# Altium PCB Motor28.PcbDoc
Units mil, origin at the board's own origin, x right, y up, seen from the top; angles counter-clockwise.
Board outline 1350 x 1102.36 mil, 4 copper layers (Top Layer, Signal, GND, Bottom Layer), stack 23.756 mil thick; 49 components, 40 nets, 157 pads, 132 vias.
Unrouted connection lines stored in the file: 3.
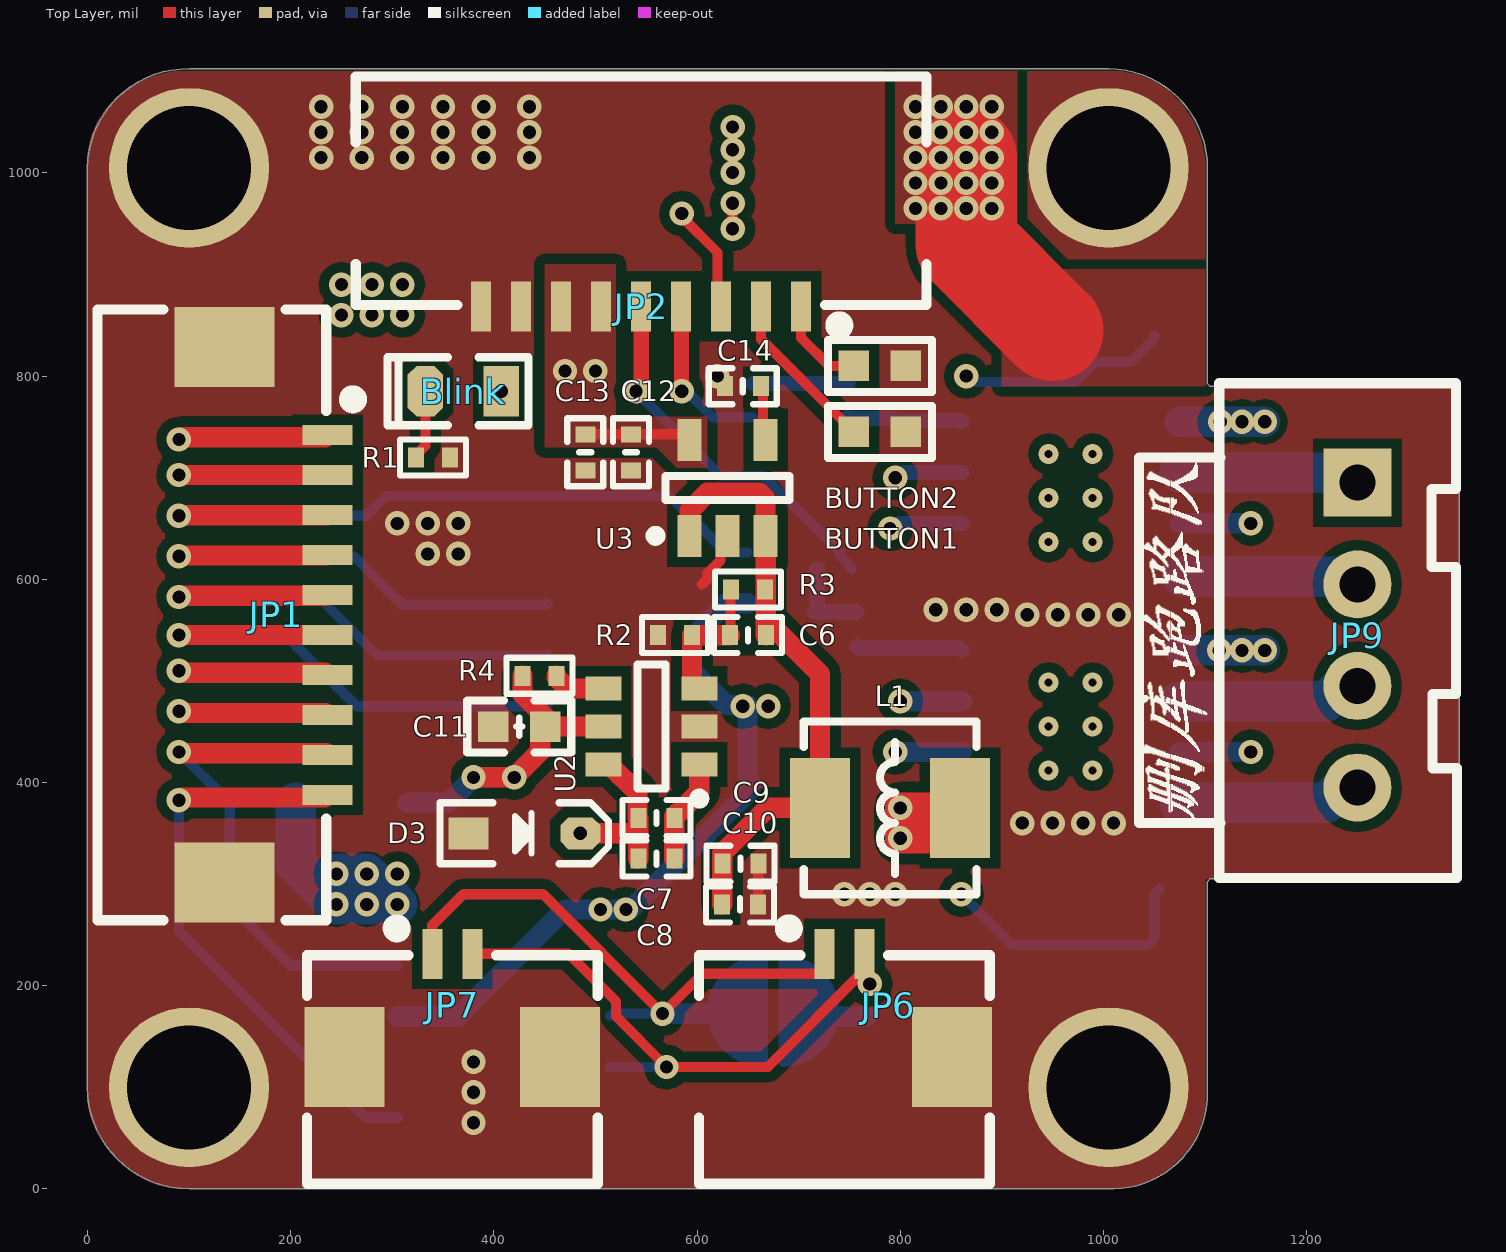
[diagram p0: Top Layer view]
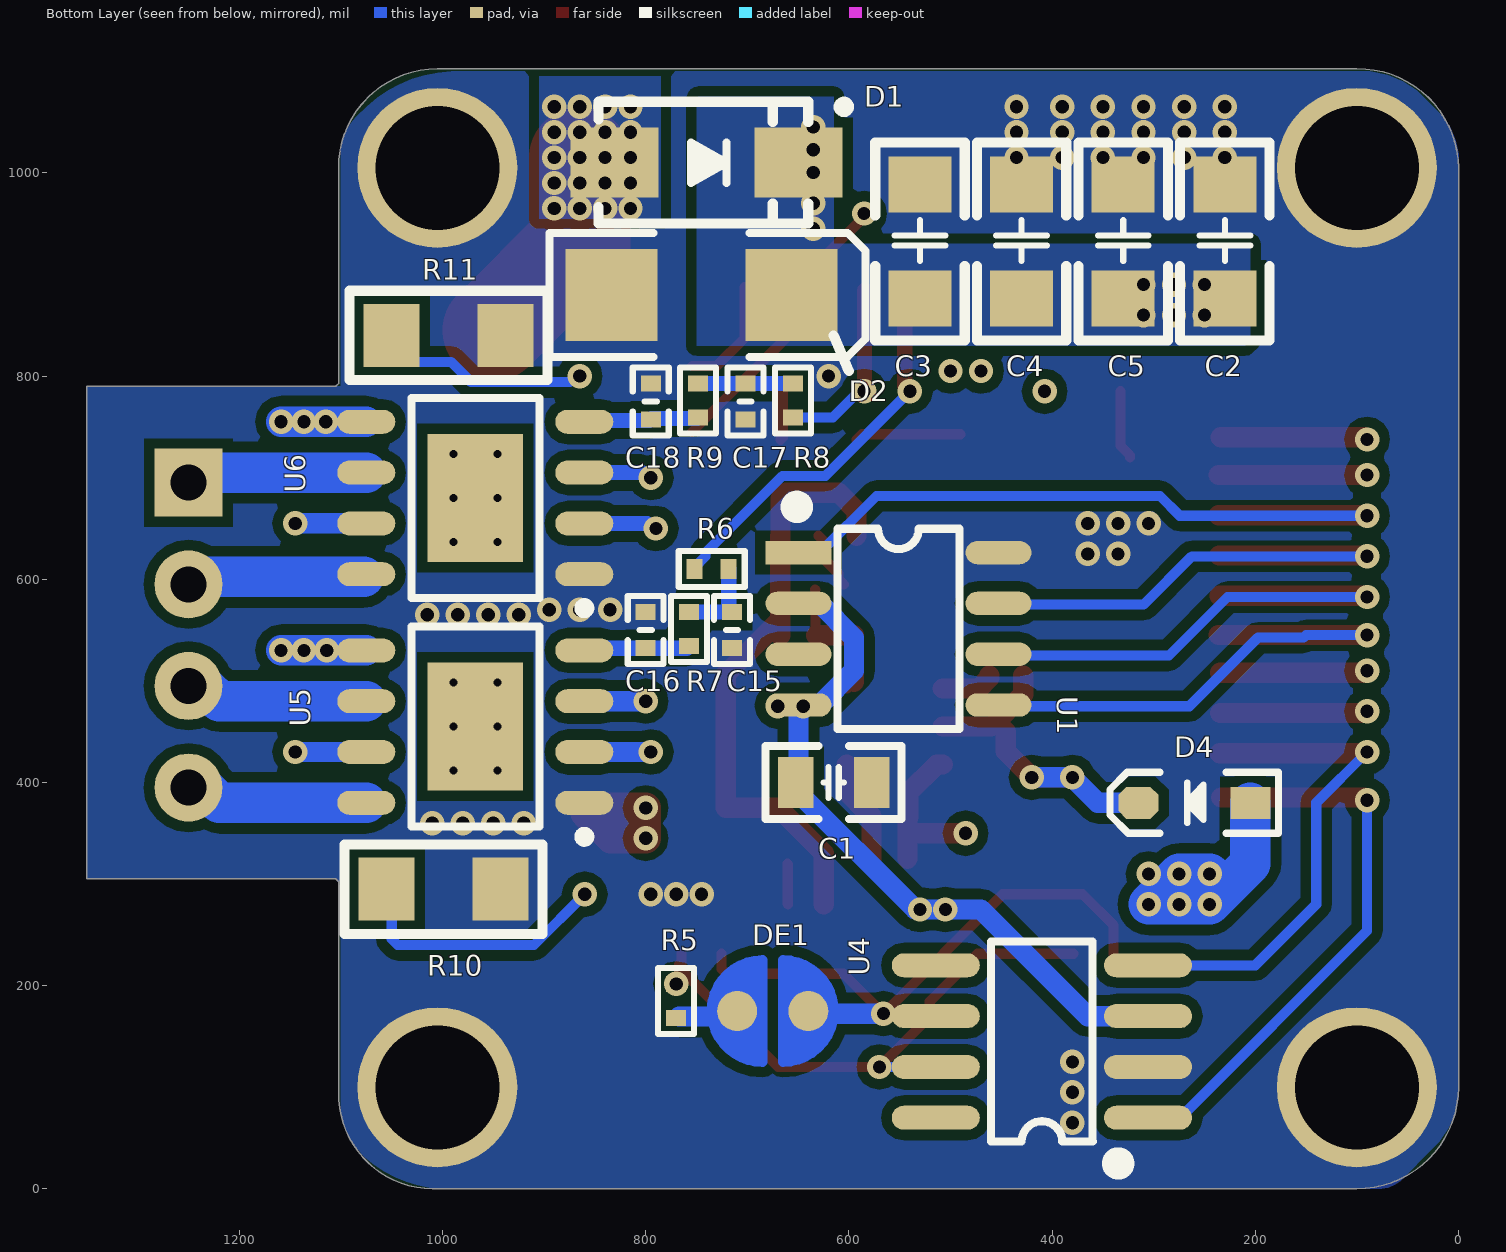
[diagram p1: Bottom Layer view, seen from below]
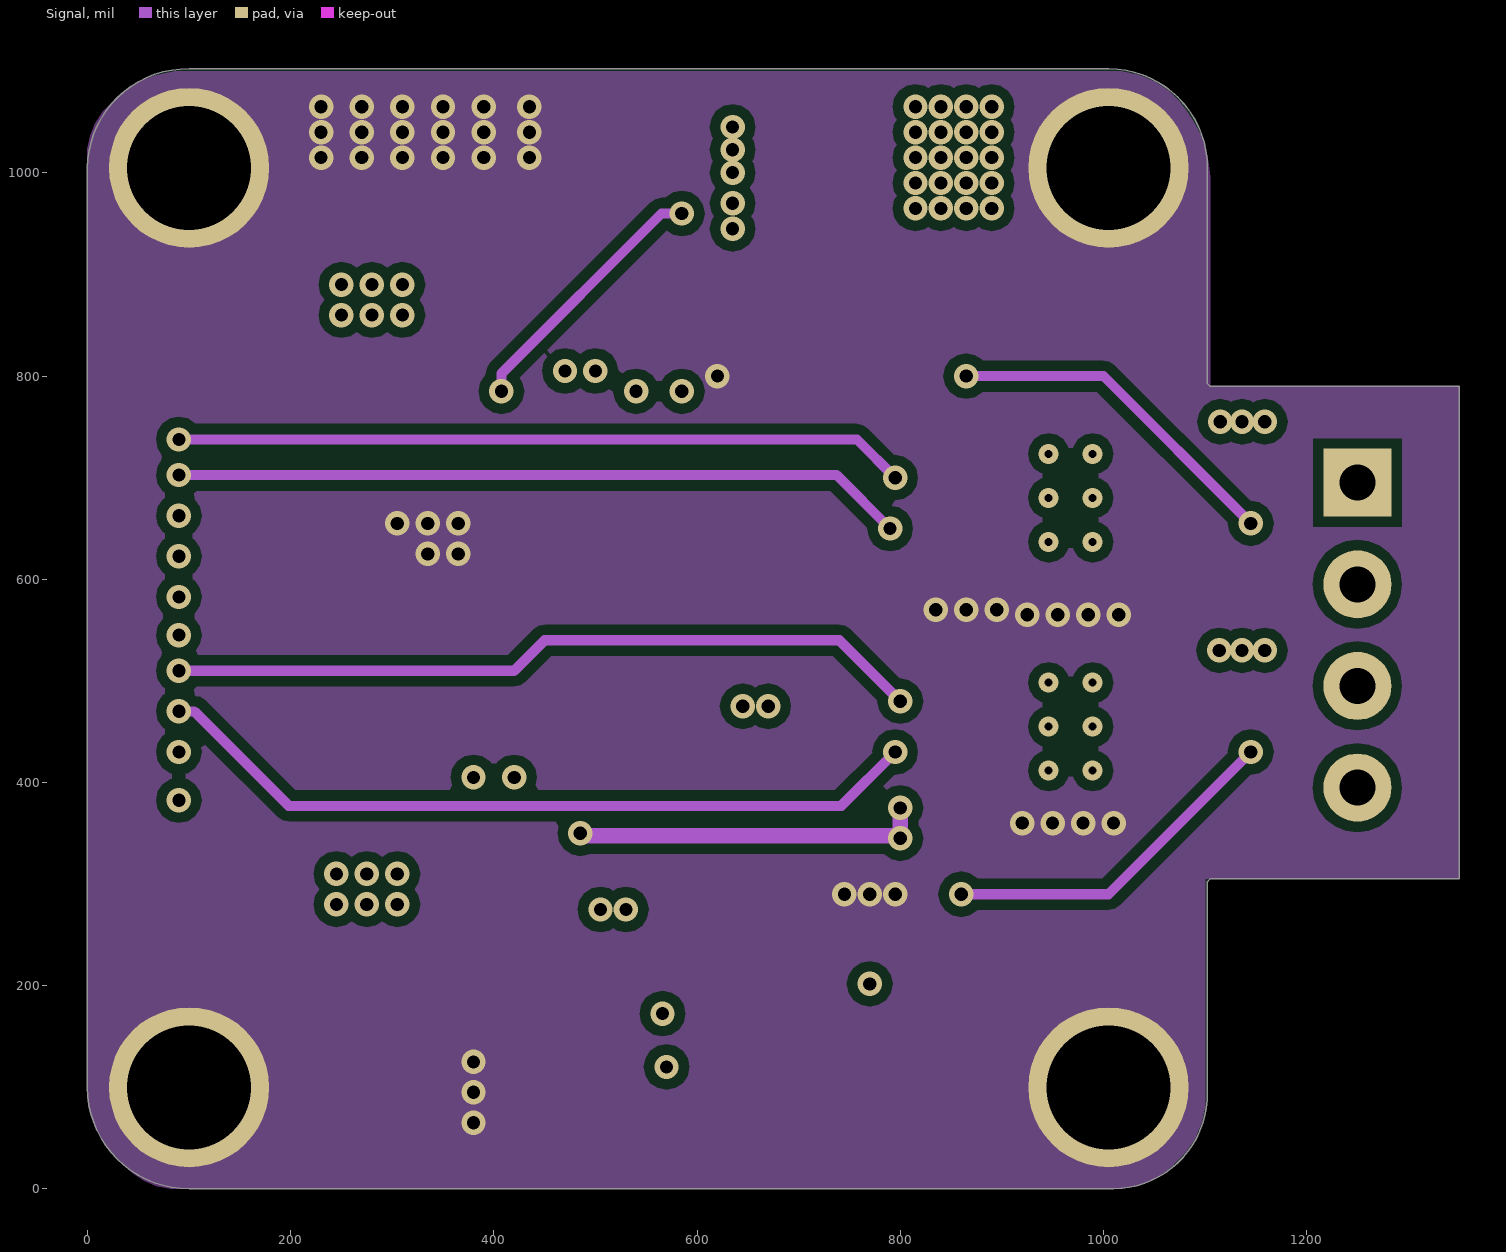
[diagram p2: Signal]
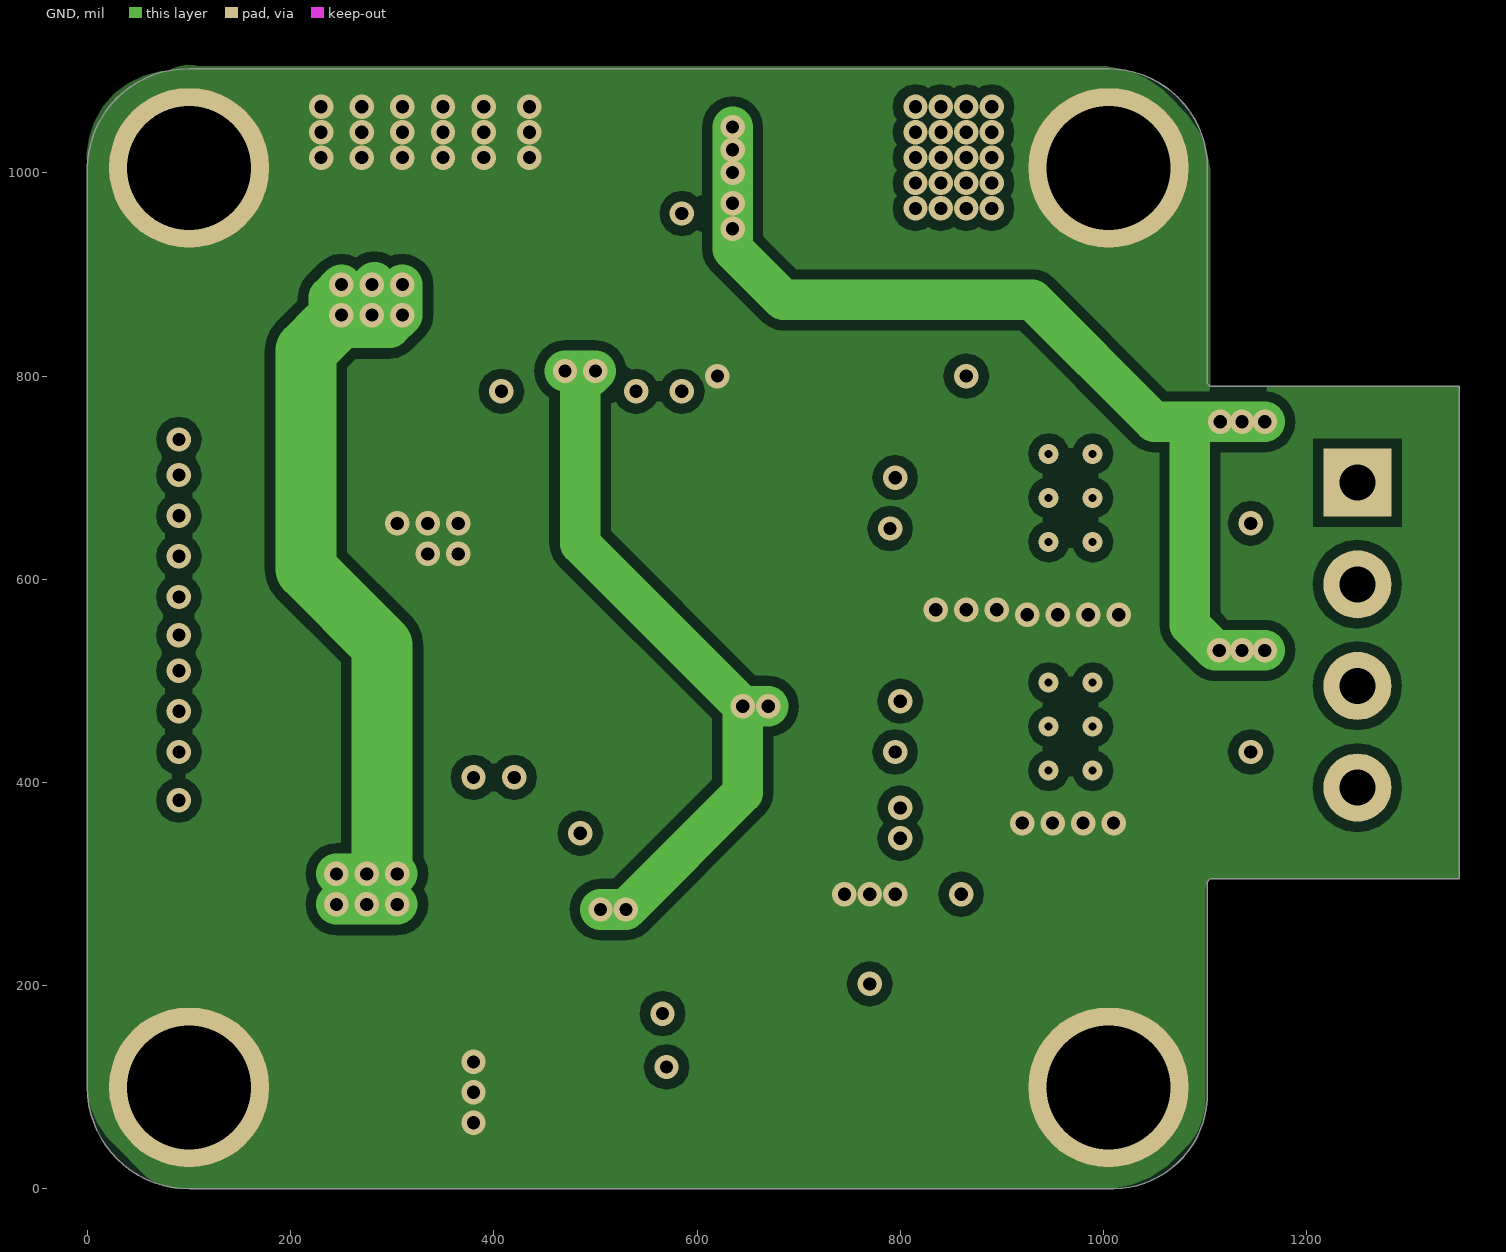
[diagram p3: GND]
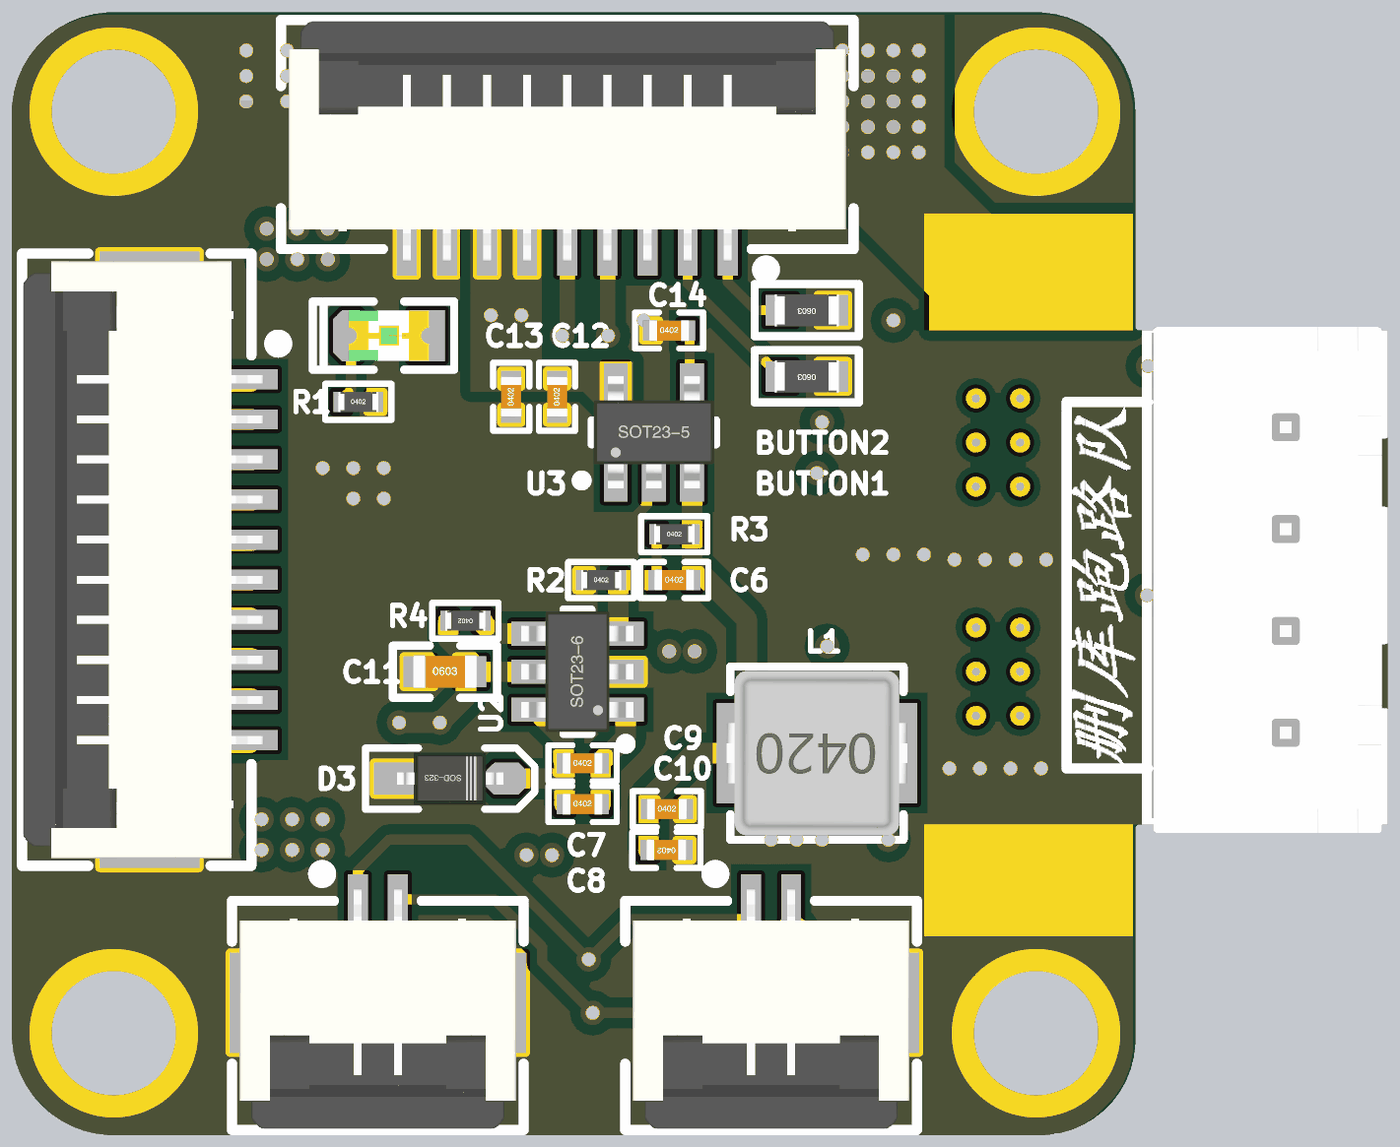
[diagram p4: 3D render of the assembled board from above, using the file's embedded part models]
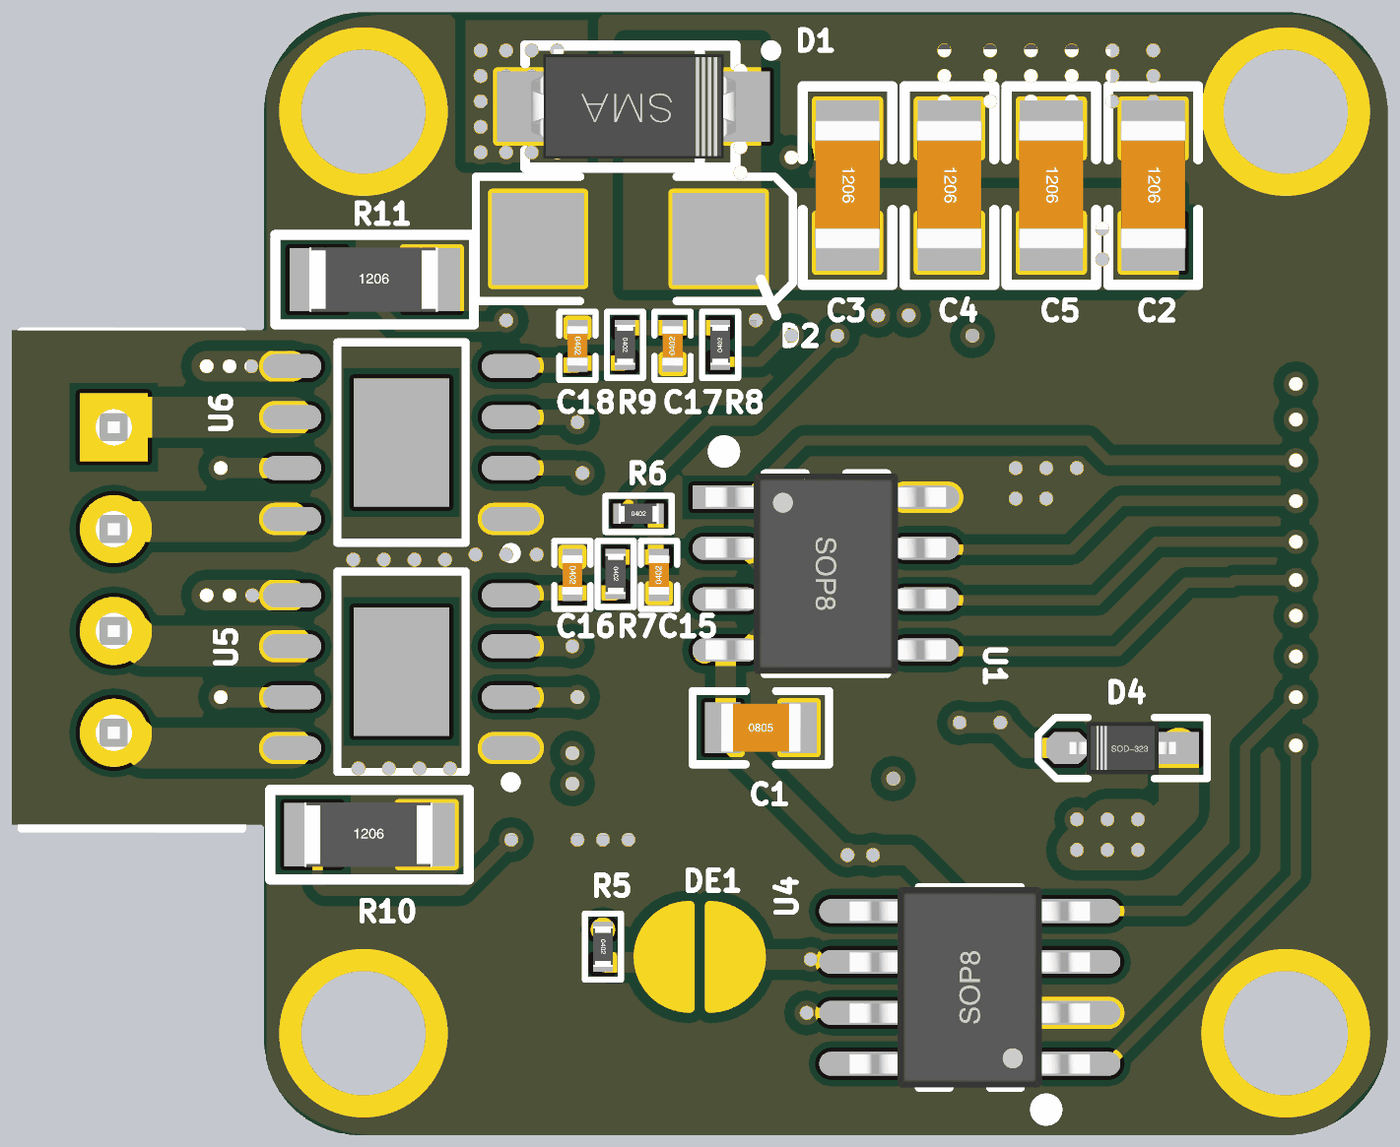
[diagram p5: 3D render of the assembled board from below, using the file's embedded part models]

## Layer stack, top to bottom
Top Solder: solder mask 0.4, Solder Resist, Dk 3.5
Top Layer: signal copper 1.4
Dielectric 2: prepreg 2.8, PP-006, Dk 4.1
Signal: signal copper 1.378
Dielectric 1: dielectric 12.6, FR-4, Dk 4.8
GND: signal copper 1.378
Dielectric 3: prepreg 2.8, PP-006, Dk 4.1
Bottom Layer: signal copper 1.4
Bottom Solder: solder mask 0.4, Solder Resist, Dk 3.5

## Board outline
0,100 0,1005 cw(c98.68,1003.68) 100,1102.36 1005,1102.36 cw(c1005,1005) 1102.36,1005 1102.36,792.64 1105,790 1350,790 1350,305 1105,305 1102.36,302.36 1102.36,95 cw(c1008.68,93.68) 1010,0 100,0 cw(c100,100)

## Design rules (kind name [scope] priority, off if disabled: settings)
Clearance [All] p1: gap=10 ignorepadtopadclearanceinfootprint=FALSE except(0: Arc-Hole Track-Hole SMDPad-Hole THPad-Hole Via-Hole Fill-Hole Poly-Hole Region-Hole Text-Hole)
PolygonConnect PolygonConnect_11 [All vs IsNamedPolygon('Signal-GND')] p1: connectstyle=Direct reliefconductorwidth=10 reliefentries=4 polygonreliefangle="90 Angle" airgapwidth=10
PolygonConnect PolygonConnect_10 [All vs IsNamedPolygon('Top Layer-GND')] p2: connectstyle=Direct reliefconductorwidth=10 reliefentries=4 polygonreliefangle="90 Angle" airgapwidth=10
PolygonConnect PolygonConnect_9 [All vs IsNamedPolygon('Top Layer-VCC_IN 1')] p3: connectstyle=Direct reliefconductorwidth=10 reliefentries=4 polygonreliefangle="90 Angle" airgapwidth=10
PolygonConnect PolygonConnect_8 [All vs IsNamedPolygon('Top Layer-VCC_IN 1')] p4: connectstyle=Direct reliefconductorwidth=10 reliefentries=4 polygonreliefangle="90 Angle" airgapwidth=10
PolygonConnect PolygonConnect_7 [All vs IsNamedPolygon('Bottom Layer-GND')] p5: connectstyle=Direct reliefconductorwidth=10 reliefentries=4 polygonreliefangle="90 Angle" airgapwidth=10
PolygonConnect PolygonConnect_6 [All vs IsNamedPolygon('Top Layer-GND')] p6: connectstyle=Direct reliefconductorwidth=10 reliefentries=4 polygonreliefangle="90 Angle" airgapwidth=10
PolygonConnect PolygonConnect_5 [All vs IsNamedPolygon('Bottom Layer-VCC_IN')] p7: connectstyle=Direct reliefconductorwidth=10 reliefentries=4 polygonreliefangle="90 Angle" airgapwidth=10
PolygonConnect PolygonConnect_4 [All vs IsNamedPolygon('GND-GND')] p8: connectstyle=Direct reliefconductorwidth=10 reliefentries=4 polygonreliefangle="90 Angle" airgapwidth=10
PolygonConnect PolygonConnect_3 [All vs IsNamedPolygon('Top Layer-3V3')] p9: connectstyle=Direct reliefconductorwidth=10 reliefentries=4 polygonreliefangle="90 Angle" airgapwidth=10
PolygonConnect PolygonConnect_2 [All vs IsNamedPolygon('Top Layer-VCC_IN')] p10: connectstyle=Direct reliefconductorwidth=10 reliefentries=4 polygonreliefangle="90 Angle" airgapwidth=10
PolygonConnect PolygonConnect_1 [All vs IsNamedPolygon('Bottom Layer-VCC')] p11: connectstyle=Direct reliefconductorwidth=10 reliefentries=4 polygonreliefangle="90 Angle" airgapwidth=10
PolygonConnect [All] p12: connectstyle=Relief reliefconductorwidth=10 reliefentries=4 polygonreliefangle="90 Angle" airgapwidth=10
RoutingVias [All] p1: holewidth=28 width=50 viastyle="Through Hole" minholewidth=28 minwidth=50 maxholewidth=28 maxwidth=50
SolderMaskExpansion [All] p1: expansion=4
Width [All] p1: maxlimit=100 minlimit=10 preferedwidth=10
30 further rules are at their usual default settings.

## Components (designator, comment, footprint, x,y, rotation, side; value= is the part's Value field where it differs from the comment)
Blink "BLINK" LED0805_G 370,785 r180 top (schematic designator LED1)
BUTTON1 "0R" R0603_L 780,745 r180 top (schematic designator R12(NC))
BUTTON2 "0R" R0603_L 780,810 r180 top (schematic designator R13NC)
C1 "0.1uF" C0805_L 615,400 r180 bottom
C2 "100uF" C1206_L 230,933.33 r270 bottom
C3 "100uF" C1206_L 530,933.33 r270 bottom
C4 "100uF" C1206_L 430,933.33 r270 bottom
C5 "100uF" C1206_L 330,933.33 r270 bottom
C6 "100pF" C0402_L 650,545 r0 top
C7 "0.1uF" C0402_L 560,365 r0 top
C8 "0.1uF" C0402_L 560,325 r0 top
C9 "0.1uF" C0402_L 642.72,320 r0 top
C10 "10uF" C0402_L 642.28,280 r180 top
C11 "10uF/50V" C0603_L 425,455 r0 top
C12 "0.1uF" C0402_L 535,725 r90 top
C13 "10uF" C0402_L 490,725 r90 top
C14 "10nF" C0402_L 645,790 r0 top
C15 "0.1uF" C0402_L 715,550 r90 bottom
C16 "0.1uF" C0402_L 800,550 r270 bottom
C17 "0.1uF" C0402_L 701.67,775 r90 bottom
C18 "0.1uF" C0402_L 795,775 r270 bottom
D1 "SS54" SMA 740,1010 r180 bottom
D2 "SMBJ28CA" SMB 745,880 r180 bottom
D3 "二极管-5819W" SOD-323 430,350 r0 top
D4 "二极管-5819W" SOD-323 260,380 r0 bottom
DE1 "DEBUG PAD" DEBUG_A 675,175 r180 bottom
JP1 "CON-10P" FPC1.0-WT-10P 135,565 r270 top
JP2 "CON-9P" FPC1.0-WT-9P 545,970 r180 top
JP6 "CON-2P" FPC1.0-WT-2P#1 745,130 r0 top
JP7 "CON-2P" FPC1.0-WT-2P#2 359.09,130 r0 top
JP9 "HDR-1X4" XH2.54-LI-4P 1250,545 r270 top
L1 "6.8uH" L-SMD-0420 790,375 r180 top
R1 "1K" R0402_L 340,720 r0 top
R2 "1.8K" R0402_L 578.27,545 r0 top
R3 "10K" R0402_L 650,590 r0 top
R4 "1M" R0402_L 445,505 r180 top
R5 "120R" R0402_L 770,185 r270 bottom
R6 "1K" R0402_L 735,610 r180 bottom
R7 "1K" R0402_L 757.5,550.98 r270 bottom
R8 "1K" R0402_L 655,775.98 r90 bottom
R9 "1K" R0402_L 748.34,775.98 r270 bottom
R10 "0.1R" R1206_L 1000,295 r180 bottom
R11 "0.1R" R1206_L 995,840 r180 bottom
U1 "MT6816" SOP8_L 551.25,551.25 r180 bottom
U2 "ME3116" SOT23-6 555,455 r180 top
U3 "LP2992" SOT23-5 630,690 r90 top
U4 "SN65HVD232D" SOIC-8 410,145 r0 bottom
U5 "TB67H450FNG" HSOP-8 967.72,455 r0 bottom
U6 "TB67H450FNG" HSOP-8 967.72,680 r0 bottom

## Footprints (in the part's own frame and the unit in brackets; to place one, negate y for a bottom-side part, rotate by r counter-clockwise, add the part's x,y. Pads: shape width x height; smd on the part's side, far side on the other; paste and mask are expansions set on the pad)
C0402_L [mm] "贴片MLCC电容"
  rect 0.4x0.5 smd: 1(-0.45,0) 2(0.45,0)
  silkscreen extent -0.85,-0.45 0.85,0.45, body extent -0.5,-0.26 0.5,0.26, height 0.54
C0603_L [mil] "贴片MLCC电容"
  rect 30x30 smd: 1(-25.59,0) 2(25.59,0)
  silkscreen extent -51,-26 51,26, body extent -31,-16 32,16, height 33
C0805_L [mil] "贴片MLCC电容"
  rect 35x50 smd: 1(-37.4,0) 2(37.4,0)
  silkscreen extent -67,-36 67,36, body extent -39,-24 39,24, height 22
C1206_L [mil] "贴片MLCC电容"
  rect 55x62 smd: 1(-55.12,0) 2(57.09,0)
  silkscreen extent -96,-44 98,44, body extent -63,-32 63,32, height 50
DEBUG_A [mm] "调试断点焊盘"
  round 1 smd paste-1: 1(-0.889,0) 2(0.889,0)
  Top Layer region: 0.254,1.27 0.254,-1.27 0.762,-1.143 1.397,-0.508 1.524,0.254 1.27,0.762 1.016,1.016 0.508,1.27
  Top Layer region: -0.254,1.27 -0.254,-1.27 -0.762,-1.143 -1.397,-0.508 -1.524,0.254 -1.27,0.762 -1.016,1.016 -0.508,1.27
  Top Layer lines w0.254: 1.522,-0.064 ccw(c0.254,0) 0.254,1.27 0.254,-1.27 ccw(c0.254,0) 1.522,-0.064 ; -0.254,-1.27 cw(c-0.254,0) -1.517,-0.137 cw(c-0.254,0) -0.254,1.27 -0.254,-1.27
FPC1.0-WT-2P#1 [mm] "卧贴翻盖FPC，脚距1mm，不含脚（长6.9mm，宽5.2mm，高1.96mm）"
  rect 2x2.5 smd: 0(2.69,0)
  rect 0.5x1.25 smd: 1(-0.5,2.575) 2(0.5,2.575)
  silkscreen extent -3.64,-3.17 3.64,3.31, body extent -3.45,-3.15 3.45,2.85, height 2
FPC1.0-WT-2P#2 [mm] "卧贴翻盖FPC，脚距1mm，不含脚（长6.9mm，宽5.2mm，高1.96mm）"
  rect 2x2.5 smd: 0(-2.69,0) 0(2.69,0)
  rect 0.5x1.25 smd: 1(-0.5,2.575) 2(0.5,2.575)
  silkscreen extent -3.64,-3.17 3.64,3.31, body extent -3.45,-3.15 3.45,2.85, height 2
FPC1.0-WT-9P [mm] "卧贴翻盖FPC，脚距1mm，不含脚（长13.9mm，宽5.2mm，高1.96mm）"
  rect 0.5x1.25 smd: 1(-4,2.575) 2(-3,2.575) 3(-2,2.575) 4(-1,2.575) 5(0,2.575) 6(1,2.575) 7(2,2.575) 8(3,2.575) 9(4,2.575)
  silkscreen extent -7.14,-3.18 7.14,3.15, body extent -6.95,-3.15 6.95,2.85, height 2
FPC1.0-WT-10P [mm] "卧贴翻盖FPC，脚距1mm，不含脚（长14.9mm，宽5.2mm，高1.96mm）黄晶宝石"
  rect 2x2.5 smd: 0(-6.69,0) 0(6.69,0)
  rect 0.5x1.25 smd: 1(-4.5,2.575) 2(-3.5,2.575) 3(-2.5,2.575) 4(-1.5,2.575) 5(-0.5,2.575) 6(0.5,2.575) 7(1.5,2.575) 8(2.5,2.575) 9(3.5,2.575) 10(4.5,2.575)
  silkscreen extent -7.64,-3.18 7.64,3.31, body extent -7.45,-3.15 7.45,2.85, height 2
HSOP-8 [mm] "SOP, 8-Leads, Body 4.90x3.90mm, Pitch 1.27mm, Thermal Pad 3.20x2.39mm, IPC Medium Density"
  oval 1.45x0.6 smd: 1(-2.725,1.905) 2(-2.725,0.635) 3(-2.725,-0.635) 4(-2.725,-1.905) 5(2.725,-1.905) 6(2.725,-0.635) 7(2.725,0.635) 8(2.725,1.905)
  rect 2.39x3.2 smd: 9(0,0)
  silkscreen extent -2.85,-2.5 1.6,2.88, body extent -2,-2.5 2,2.5, height 1.7
L-SMD-0420 [mm] "一体化成型电感                联系卖家 免费查找封装"
  rect 1.5x2.5 smd: 1(-1.75,0) 2(1.75,0)
  silkscreen extent -2.16,-2.16 2.16,2.16, body extent -2.25,-2.05 2.25,2.05
LED0805_G [mil] "绿色0805LED            联系卖家 免费查找封装"
  rect 35x50 smd: 1(-37.4,0)
  oct 35x50 smd: 2(37.4,0)
  silkscreen extent -64,-33 75,33, body extent -39,-25 39,25, height 32
R0402_L [mm] "1/16W贴片电阻"
  rect 0.4x0.5 smd: 1(-0.425,0) 2(0.425,0)
  silkscreen extent -0.82,-0.45 0.83,0.45, body extent -0.5,-0.25 0.5,0.25, height 0.3
R0603_L [mil] "1/10W贴片电阻"
  rect 30x30 smd: 1(-25.59,0) 2(25.59,0)
  silkscreen extent -51,-26 51,26, body extent -31,-16 31,16, height 16
R1206_L [mil] "1/4W贴片电阻"
  rect 55x62 smd: 1(-55.12,0) 2(57.09,0)
  silkscreen extent -96,-44 98,44, body extent -63,-31 63,31, height 22
SMA [mm] "4.5x2.6*2.2mm（长宽高，不包括引脚）联系卖家 免费查找封装"
  rect 2.2x1.75 smd: 1(-2.3,0) 2(2.3,0)
  silkscreen extent -2.7,-1.52 3.56,1.52, body extent -2.55,-1.3 2.55,1.3, height 2.15
SMB [mm] "DO-214-AA/SMB; 2 C-Bend Leads; Body 5.3 x 3.6 mm, inc. leads (LxW)"
  rect 2.3x2.3 smd: 1(-2.25,0) 2(2.25,0)
  silkscreen extent -3.8,-1.55 4.1,1.55
SOD-323 [mm] "1.8x1.3X0.9mm（长宽高，不包括引脚）联系卖家 免费查找封装"
  rect 1x0.8 smd: 1(-1.4,0)
  oct 1x0.8 smd: 2(1.4,0)
  silkscreen extent -2.11,-0.76 2.11,0.76, body extent -1.32,-0.65 1.32,0.65, height 0.95
SOIC-8 [mm]
  oval 2.2x0.6 smd: 1(-2.654,1.905) 2(-2.654,0.635) 3(-2.654,-0.635) 4(-2.654,-1.905) 5(2.654,-1.905) 6(2.654,-0.635) 7(2.654,0.635) 8(2.654,1.905)
  silkscreen extent -2.06,-2.5 1.27,3.2, body extent -3,-2.5 3,2.5, height 1.9
SOP8_L [mil] "5*6*1.8mm（长宽高）"
  rect 65x23 smd: 1(-98.43,75)
  oval 65x23 smd: 2(-98.43,25) 3(-98.43,-25) 4(-98.43,-75) 5(98.43,-75) 6(98.43,-25) 7(98.43,25) 8(98.43,75)
  silkscreen extent -106,-98 60,126, body extent -118,-98 118,98, height 75
SOT23-5 [mm] "SOT23, 5-Leads, Body 2.9x1.6mm, Pitch 0.95mm, IPC Medium Density                联系卖家 免费查找封装"
  rect 1.05x0.6 smd: 1(-1.2,0.95) 2(-1.2,0) 3(-1.2,-0.95) 4(1.2,-0.95) 5(1.2,0.95)
  silkscreen extent -1.32,-1.55 0.3,1.92, body extent -1.4,-1.5 1.4,1.5, height 1.15
SOT23-6 [mm] "SOT-23, 6-Leads, Body 2.90x1.60mm, Pitch 0.95mm, IPC High Density"
  rect 0.9x0.6 smd: 1(-1.2,0.95) 2(-1.2,0) 3(-1.2,-0.95) 4(1.2,-0.95) 5(1.2,0) 6(1.2,0.95)
  silkscreen extent -1.33,-1.55 0.35,1.92, body extent -1.4,-1.5 1.4,1.5, height 1.15
XH2.54-LI-4P [mm] "接插件，4P"
  rect 1.7x1.7 hole 0.9: 1(-3.81,0)
  round 1.7 hole 0.9: 2(-1.27,0) 3(1.27,0) 4(3.81,0)
  silkscreen extent -6.3,-3.45 6.07,2.49, body extent -6.31,-3.3 6.31,2.4, height 7.05

## Part data
Blink: library part LED-SMD, "贴片LED"
BUTTON1 BUTTON2 R1 R2 R3 R4 R5 R6 R7 R8 R9 R10 R11: library part R, "贴片电阻"
C1 C2 C3 C4 C5 C6 C7 C8 C9 C10 C12 C13 C14 C15 C16 C17 C18: library part C, "贴片电容/MLCC电容"
C11: library part C, "陶瓷电容"
D1: library part Diode_SMA, "Diode"
D3 D4: "40V"
DE1: library part DEBUG, "调试断点焊盘"
JP1: library part "Header 10", "10P连接器"
JP2: library part "Header 9", "9P连接器"
JP6 JP7: library part "Header 2", "2P连接器"
JP9: library part "Header 4", "4P接插件"
L1: library part "L-Molding Choke", "一体成型电感"
U4: Manufacturer="Texas Instruments", Manufacturer Part Number=SN65HVD232DR, Operating Temperature="-40¡ãC ~ 85¡", Package / Case="8-SOIC (0.154\", 3.90mm Width)", Supplier Device Package=8-SOIC, Supplier Part Number 1=296-26344-2-ND, Voltage - Supply="3 V ~ 3.6 V", Category="Integrated Circuits (ICs)", ComponentLink1Description=http://www.ti.com/lit/ds/symlink/sn65hvd230.pdf, ComponentLink1URL=http://www.ti.com/lit/ds/symlink/sn65hvd230.pdf, Data Rate=1Mbps, Duplex=Half, Mounting Type="Surface Mount", Number of Drivers/Receivers=1/1, Packaging="Tape & Reel (TR)", Part Status=Active, Pricing 1="2500=0.84375 (USD)", Pricing 2="1=2.05, 10=1.842, 100=1.4809, 500=1.21668, 1000=1.00811 (USD)", Protocol=CAN, RoHS="RoHS Compliant", Stock=5000, Supplier 1=Digi-Key, Supplier 2=Digi-Key, Supplier Part Number 2=296-26344-1-ND, Type=Transceiver

## Free pads (board coordinates)
  round 157.48 hole 122.05: ""(100,100) ""(100,1005) ""(1005,100) ""(1005,1005)

## Via types
v1: diameter 24, hole 13, Top Layer to Bottom Layer, tented both sides, 120 vias
v2: diameter 19.68, hole 7.87, Top Layer to Bottom Layer, 12 vias

## Nets (pads, with @x,y where several pads share a name; then routed paths per layer and width w, separated by ;. In a path a pad name is that pad's centre, name@x,y a point inside that pad or via, vN(x,y) a via of type N, cw(c..) or ccw(c..) an arc to the next point about the centre after c; other vN are vias at no path point)
3V3: C1.1 C12.2 C13.2 JP2.6 JP2.7 U1.2 U1.4 U3.5 U4.3 | length 1528.8
  Top Layer w10: C13.2 C12.2 587.13,742.71 U3.5
  GND w40: v1(470,805) v1(500,805) 485,790 485,635 v1(645,475) ; v1(505,275) v1(530,275) 645,390 v1(645,475) ; v1(670,475) v1(645,475)
  Bottom Layer w20: U4.3 365,170 470,275 534.91,275 652.4,392.5 C1.1 649.67,402.73 U1.4 628.67,476.25 595,509.92 595,542.57 628.67,576.25 U1.2
5V: C6.2 C9.1 C10.2 L1.2 R3.2 U3.1 U3.3 | length 618.3
  Top Layer w20: U3.1 592.6,667.6 610,685 661.54,685 667.4,679.14 U3.3 667.56,642.6 667.56,560 ; C10.2 624.79,280.22 C9.1@624.79,319.79 ; C9.1@625,321.97 C9.1 C9.1@624.79,319.79 ; C6.2 667.56,545.15 667.56,560 ; C9.1@624.79,319.79 624.79,330.35 669.43,375 L1.2 721.1,506.45 667.56,560
BUTTON1: BUTTON1.2 JP2.2 | length 176.4
  Top Layer w10: JP2.2@663.11,883.62 663.11,836.31 BUTTON1.2
BUTTON2: BUTTON2.2 JP2.1 | length 113.3
  Top Layer w10: JP2.1@702.48,887.52 702.48,837.52 730,810 BUTTON2.2
CAN_H: JP6.2 JP7.2 R5.1 U4.7 | length 575.8
  Top Layer w10: JP7.2 473.42,231.38 520.37,184.43 520.37,169.63 v1(570,120) 669.6,120 764.68,215.09 JP6.2@764.68,223.23 ; JP6.2@764.84,231.22 JP6.2 JP6.2@764.68,223.23 ; v1(770,201.73) 767.34,204.39 767.34,220.57 JP6.2@764.68,223.23
  Bottom Layer w10: U4.7 v1(570,120)
CAN_L: DE1.2 JP6.1 JP7.1 U4.6 | length 635.9
  Top Layer w10: JP7.1 339.41,259.41 370,290 448.53,290 v1(566.03,172.5) 605.3,211.77 720.47,211.77 725.31,216.61 JP6.1
  Bottom Layer w10: U4.6 516.99,172.5 v1(566.03,172.5) ; 615.06,172.5 637.5,172.5 DE1.2
  Bottom Layer w20: v1(566.03,172.5) 615.06,172.5
CAN_RX: JP1.9 U4.4 | length 508.6
  Top Layer w10: v1(90,430) v1@91.4,428.6 ; JP1.9@234.98,428.6 JP1.9
  Top Layer w20: v1@91.4,428.6 JP1.9@234.98,428.6
  Bottom Layer w10: v1(90,430) 140,380 140,280 200,220 U4.4
CAN_TX: JP1.10 U4.1 | length 568.8
  Top Layer w10: v1(90,382.57) v1@92.63,385.2 ; JP1.10@233.75,385.2 JP1.10
  Top Layer w20: v1@92.63,385.2 JP1.10@233.75,385.2
  Bottom Layer w10: v1(90,382.57) 90,254.02 274.02,70 U4.1
GND: BUTTON1.1 BUTTON2.1 C1.2 C2.1 C3.1 C4.1 C5.1 C9.2 C10.1 C11.1 C12.1 C13.1 C14.1 C15.1 C16.1 C17.1 C18.1 D2.1 D3.1 JP1.0 JP2.8 JP2.9 JP6.0 JP7.0 pad. R1.2 R2.1 R10.2 R11.2 U1.8 U2.2 U3.2 U4.2 U5.1 U6.1 | length 98.3
  Top Layer w10: 605,595 610.39,600.39 610.39,606.06 623.19,618.85 623.19,635.94 U3.2 ; C10.1 660.21,280.21 660.21,319.78 C9.2
  other v1: 380,65 380,95 380,125 745,290 770,290 795,290 920,360 950,360 980,360 1010,360 925,565 955,565 985,565 1015,565 835,570 865,570 895,570 335,625 365,625 305,655 335,655 365,655 620,800 230,1015 270,1015 310,1015 350,1015 390,1015 435,1015 230,1040 270,1040 310,1040 350,1040 390,1040 435,1040 230,1065 270,1065 310,1065 350,1065 390,1065 435,1065
IN_AM: JP1.8 U5.2 | length 978.7
  Top Layer w10: v1(90,470) v1@91.71,468.29 ; JP1.8@234.67,468.29 JP1.8
  Top Layer w20: v1@91.71,468.29 JP1.8@234.67,468.29
  Signal w10: v1(90,470) 105,470 198,377 742,377 v1(795,430)
  Bottom Layer w20: v1(795,430) U5.2
IN_AP: JP1.7 U5.3 | length 955.8
  Top Layer w10: v1(90,510) v1@92.03,507.97 ; JP1.7@234.35,507.97 JP1.7
  Top Layer w20: v1@92.03,507.97 JP1.7@234.35,507.97
  Signal w10: v1(90,510) 420,510 450,540 740,540 v1(800,480)
  Bottom Layer w20: v1(800,480) U5.3
IN_BM: JP1.2 U6.2 | length 940.8
  Top Layer w10: v1(90,702.57) v1@90.11,702.68 ; JP1.2@236.26,702.68 JP1.2
  Top Layer w20: v1@90.11,702.68 JP1.2@236.26,702.68
  Signal w10: v1(90,702.57) 737.43,702.57 v1(790,650)
  Bottom Layer w15: v1(790,650) 793.79,650 798.79,655 U6.2
IN_BP: JP1.1 U6.3 | length 936.3
  Top Layer w10: v1(90,737.57) v1@92.3,739.87 ; JP1.1@234.08,739.87 JP1.1
  Top Layer w20: v1@92.3,739.87 JP1.1@234.08,739.87
  Signal w10: v1(90,737.57) 757.43,737.57 v1(795,700)
  Bottom Layer w15: v1(795,700) 798.79,700 803.79,705 U6.3
MT_CLK: JP1.4 U1.7 | length 530
  Top Layer w10: v1(90,622.57) v1@90.74,623.31 ; JP1.4@235.63,623.31 JP1.4
  Top Layer w20: v1@90.74,623.31 JP1.4@235.63,623.31
  Bottom Layer w10: v1(90,622.57) 262.43,622.57 310,575 451.57,575 U1.7
MT_CS: JP1.3 U1.1 | length 737.5
  Top Layer w10: v1(90,662.57) v1@90.43,663 ; JP1.3@235.95,663 JP1.3
  Top Layer w20: v1@90.43,663 JP1.3@235.95,663
  Bottom Layer w10: v1(90,662.57) 274.39,662.57 293.82,682 572.92,682 628.67,626.25 U1.1
MT_MISO: JP1.5 U1.6 | length 534.4
  Top Layer w10: v1(90,582.57) v1@91.06,583.63 ; JP1.5@235.32,583.63 JP1.5
  Top Layer w20: v1@91.06,583.63 JP1.5@235.32,583.63
  Bottom Layer w10: v1(90,582.57) 227.43,582.57 285,525 451.57,525 U1.6
MT_MOSI: JP1.6 U1.5 | length 538.8
  Top Layer w10: v1(90,545) v1@90.16,545.16 ; JP1.6@236.22,545.16 JP1.6
  Top Layer w20: v1@90.16,545.16 JP1.6@236.22,545.16
  Bottom Layer w10: v1(90,545) 150.14,545 152.57,542.57 197.43,542.57 265,475 451.57,475 U1.5
NetC6_1: C6.1 R2.2 R3.1 U2.3 | length 138.5
  Top Layer w10: U2.3@595,499.21 601.81,492.4 U2.3 ; C6.1 632.78,545.49 632.78,589.51 R3.1
  Top Layer w20: U2.3@595,499.21 R2.2 C6.1
NetC7_1: C7.1 C8.1 D3.2 L1.1 U2.6 | length 680
  Top Layer w20: v1(485.12,350) 537.28,350 542.28,345 ; U2.6 513.66,417.6 541.42,389.84 541.42,365.87 C7.1 542.28,345 ; C8.1 542.28,345
  Top Layer w30: v1(800,345) v1(800,375) L1.1 858.9,369.53 834.37,345 v1(800,345)
  Signal w15: v1(485.12,350) 487.62,347.5 797.5,347.5 v1(800,345) v1(800,375)
NetC7_2: C7.2 C8.2 U2.1 | length 103.2
  Top Layer w20: C8.2 C7.2 577.71,366.97 580.59,369.84 581.3,369.84 602.24,390.79 U2.1
NetC11_2: C11.2 D4.2 R4.2 U2.5 | length 328.8
  Top Layer w20: v1(380,405) v1(420,405) 445.59,430.59 445.59,450 C11.2 ; R4.2 428.27,486.73 460,455 U2.5
  Bottom Layer w20: D4.2 355,380 v1(380,405) v1(420,405)
NetC14_2: C14.2 U3.4 | length 54.7
  Top Layer w10: C14.2 665.06,787.65 665.06,739.59 U3.4
NetC15_2: C15.2 R6.2 R7.1 | length 86
  Bottom Layer w15: C15.2 C15.2@715.39,567.71 ; R6.2 718.27,570.59 C15.2@715.39,567.71 ; R7.1 C15.2@715.39,567.71
NetC17_2: C17.2 R8.2 R9.1 | length 93.3
  Bottom Layer w15: R8.2 C17.2 R9.1
NetDE1_1: DE1.1 R5.2 | length 63.4
  Bottom Layer w10: DE1.1 715.39,169.61 734.71,169.61 ; R5.2@767.13,169.61 R5.2@770,166.73
  Bottom Layer w20: 734.71,169.61 R5.2@767.13,169.61
NetLED1_2: Blink.2 R1.1 | length 68.9
  Top Layer w10: R1.1 323.27,721.97 332.6,731.3 Blink.2
NetR4_1: R4.1 U2.4 | length 52.4
  Top Layer w20: R4.1 461.73,503.03 472.36,492.4 U2.4
NetR10_1: R10.1 U5.7 | length 677.4
  Signal w10: v1(860,290) 1005,290 v1(1145,430)
  Bottom Layer w10: v1(860,290) 910,240 1044.14,240 1050,245.86 1050,289.88 R10.1
  Bottom Layer w20: U5.7 v1(1145,430)
NetR11_1: R11.1 U6.7 | length 618.8
  Signal w10: v1(865,800) 1000,800 v1(1145,655)
  Bottom Layer w10: v1(865,800) 868.79,800 874.79,794 971.63,794 991.63,814 1027.62,814 1050.12,836.5 R11.1
  Bottom Layer w20: U6.7 v1(1145,655)
OUT_A+: JP9.3 U5.6 | length 181.2
  Bottom Layer w40: U5.6 1219.6,480 1234.6,495 JP9.3
OUT_A-: JP9.4 U5.8 | length 181.2
  Bottom Layer w40: U5.8 1219.6,380 1234.6,395 JP9.4
OUT_B+: JP9.1 U6.6 | length 179.1
  Bottom Layer w40: U6.6 1240,705 JP9.1
OUT_B-: JP9.2 U6.8 | length 175.5
  Bottom Layer w40: U6.8@1077.61,602.39 1242.61,602.39 JP9.2
PE2: Blink.1 JP2.3 | length 353.2
  Top Layer w10: v1(585,960) 585,956.82 620.2,921.62 620.2,888.46 JP2.3@625.04,883.62
  Signal w10: v1(407.4,785) 407.4,802.4 565,960 v1(585,960)
PWM_A: JP2.5 R6.1 | length 388.1
  Top Layer w15: v1(540,785) 545,790 JP2.5@545,883.62
  Bottom Layer w10: v1(540,785) 623.31,701.69 665.51,701.69 741.14,626.06 741.14,622.56 751.73,611.97 R6.1
PWM_B: JP2.4 R8.1 | length 180.3
  Top Layer w15: JP2.4@584.37,884.37 584.37,855 584.68,854.68 584.68,785.32 v1(585,785)
  Bottom Layer w10: v1(585,785) 590,785 615.75,759.25 R8.1
VCC: C2.2 C3.2 C4.2 C5.2 D1.2 D2.2 D4.1 U5.5 U6.5 | length 2463.4
  Top Layer w10: v1(635,945) v1(635,970)
  GND w40: v1(245,280) v1(275,280) v1(305,280) ; v1(245,310) v1(275,310) v1(305,310) ; v1(250,890) 237.5,877.5 237.5,847.5 ; v1@282.5,892.5 v1(280,890) 265,875 ; v1(310,890) v1(310,860) ; v1(635,1045.12) v1(635,1022.69) v1(635,1000.26) v1(635,970) v1(635,945) 635,925 685,875 930,875 1050,755 v1(1115,755) v1(1136.4,755) v1(1158.83,755) ; 1085,755 1085,555 1110,530 v1(1113.97,530) v1(1136.4,530) v1(1158.83,530) ; 237.5,847.5 297.5,847.5 v1(310,860) ; 237.5,847.5 v1(250,860) 265,875 ; 265,875 295,875 v1(310,860)
  GND w60: 237.5,847.5 215,825 215,610 290,535 290,315
  Bottom Layer w30: U5.5 v1(1113.97,530) v1(1136.4,530) v1(1158.83,530) ; U6.5 v1(1115,755) v1(1136.4,755) v1(1158.83,755)
  Bottom Layer w40: D4.1 204.88,320.12 v1(245,280) ; v1(245,280) v1(275,280) ; v1(245,280) v1(245,310) v1(275,310) ; v1(275,280) v1(305,280) v1(275,310) ; v1(275,280) v1(275,310)
  other v1: 280,860
VCC_IN: D1.1 | length 205.2
  Top Layer w100: v1(865,1015) v1(865,990) v1(865,965) 865,930 950,845
  other v1: 815,965 840,965 890,965 815,990 840,990 890,990 815,1015 840,1015 890,1015 815,1040 840,1040 865,1040 890,1040 815,1065 840,1065 865,1065 890,1065
VREF_A: C16.2 R7.2 U5.4 | length 104.7
  Bottom Layer w15: R7.2 759.62,532.12 858.31,532.12 U5.4
VREF_B: C18.2 R9.2 U6.4 | length 113.9
  Bottom Layer w15: R9.2 749.32,758.27 794.02,758.27 C18.2 796.15,756.14 859.29,756.14 U6.4
pads on no net: U1.3 U4.5 U4.8 U5.9 U6.9
copper on no net:
  other v2: 946.06,411.69 989.37,411.69 946.06,455 989.37,455 946.06,498.31 989.37,498.31 946.06,636.69 989.37,636.69 946.06,680 989.37,680 946.06,723.31 989.37,723.31

## Polygon pours and split planes (outlines as drawn)
GND on Bottom Layer "Bottom Layer-GND" (solid, pour order 14): 0,100 ccw(c84.5,100) 24.75,40.25 55,10 ccw(c79.14,34.14) 79.14,0 995.5,0 ccw(c995.5,119.5) 1080,35 ccw(c1031.72,83.28) 1100,83.28 1100,292.93 cw(c1117.07,292.93) 1105,305 1350,305 1350,790 1100,790 1100,1018.79 ccw(c1048.79,1018.79) 1085,1055 1078.89,1061.11 ccw(c985,967.22) 985,1100 95,1100 ccw(c95,1015.5) 35.25,1075.25 20,1060 ccw(c68.28,1011.72) 0,1011.72
VCC_IN on Bottom Layer "Bottom Layer-VCC_IN" (solid, pour order 10): 785,1095 785,955 905,955 905,1095
VCC on Bottom Layer "Bottom Layer-VCC" (solid, pour order 2): 205,930 205,835 210,830 750,830 750,1070 755,1075 615,1075 615,930
GND on Top Layer "Top Layer-GND" (solid, pour order 22): 0,95 ccw(c84.5,95) 24.75,35.25 35,25 ccw(c95.36,85.36) 95.36,0 1010,0 ccw(c1010,84.5) 1069.75,24.75 1075,30 ccw(c1014.64,90.36) 1100,90.36 1100,305 1350,305 1350,790 1100,790 1100,1002.57 ccw(c997.57,1002.57) 1070,1075 ccw(c1009.64,1014.64) 1009.64,1100 95,1100 ccw(c95,1003.43) 26.72,1071.72 25,1070 ccw(c85.36,1009.64) 0,1009.64
VCC_IN on Top Layer "Top Layer-VCC_IN 1" (solid, pour order 20): 900,905 1100,905 1100,790 900,790
no net on Top Layer "Top Layer-No Net" (solid, pour order 16): 795,950
3V3 on Top Layer "Top Layer-3V3" (solid, pour order 6): 450,910 450,730 560,730 580,710 610,710 610,760 520,760 520,910
VCC_IN on Top Layer "Top Layer-VCC_IN" (solid, pour order 4): 795,1100 795,950 915,950 915,1100
GND on GND "GND-GND" (solid, pour order 8): 0,105 ccw(c84.5,105) 24.75,45.25 55,15 ccw(c91.21,51.21) 91.21,0 998.58,0 ccw(c998.58,100) 1069.29,29.29 1080,40 ccw(c1031.72,88.28) 1100,88.28 1100,292.93 cw(c1117.07,292.93) 1105,305 1350,305 1350,790 1105,790 1105,993.58 ccw(c1005,993.58) 1075.71,1064.29 1064.29,1075.71 ccw(c993.58,1005) 993.58,1105 109.14,1105 ccw(c99.87,1067.47) 79.89,1100.57 ccw(c85.23,1015.34) 0,1010
GND on Signal "Signal-GND" (solid, pour order 26): 0,100 ccw(c96.57,100) 28.28,31.72 40,20 ccw(c88.28,68.28) 88.28,0 1010,0 ccw(c1010,84.5) 1069.75,24.75 1075,30 ccw(c1014.64,90.36) 1100,90.36 1100,305 1350,305 1350,790 1105,790 1105,990.5 ccw(c985.5,990.5) 1070,1075 ccw(c1009.64,1014.64) 1009.64,1100 95,1100 ccw(c95,1003.43) 26.72,1071.72 20,1065 ccw(c68.28,1016.72) 0,1016.72

## Silkscreen, mask and mechanical layers (free items; w line width, h text height)
Top Overlay:
  drawing of 898 lines, arcs and shapes, not listed
Bottom Overlay:
  lines w10: 600,805 615,840
Top Solder:
  rectangle: 895,790 1100,905
  rectangle: 895,195 1100,305
Mechanical 1:
  lines w10: 1102.36,302.36 1102.36,95 cw(c1008.68,93.68) 1010,0 100,0 cw(c100,100) 0,100 0,1005 cw(c98.68,1003.68) 100,1102.36 1005,1102.36 cw(c1005,1005) 1102.36,1005 1102.36,792.64 ; 1105,305 1350,305 1350,790 1105,790